# Altium PCB HEXIWEAR_MainBoard_v106.PcbDoc (part 1 of 3)
Units mil, origin at the board's own origin, x right, y up, seen from the top; angles counter-clockwise.
Board outline 1731.95 x 1558.06 mil, 6 copper layers (Top Layer, Internal Plane 2, Signal Layer 1, Signal Layer 2, Internal Plane 1, Bottom Layer), stack 48.468 mil thick; 186 components, 162 nets, 776 pads, 480 vias.
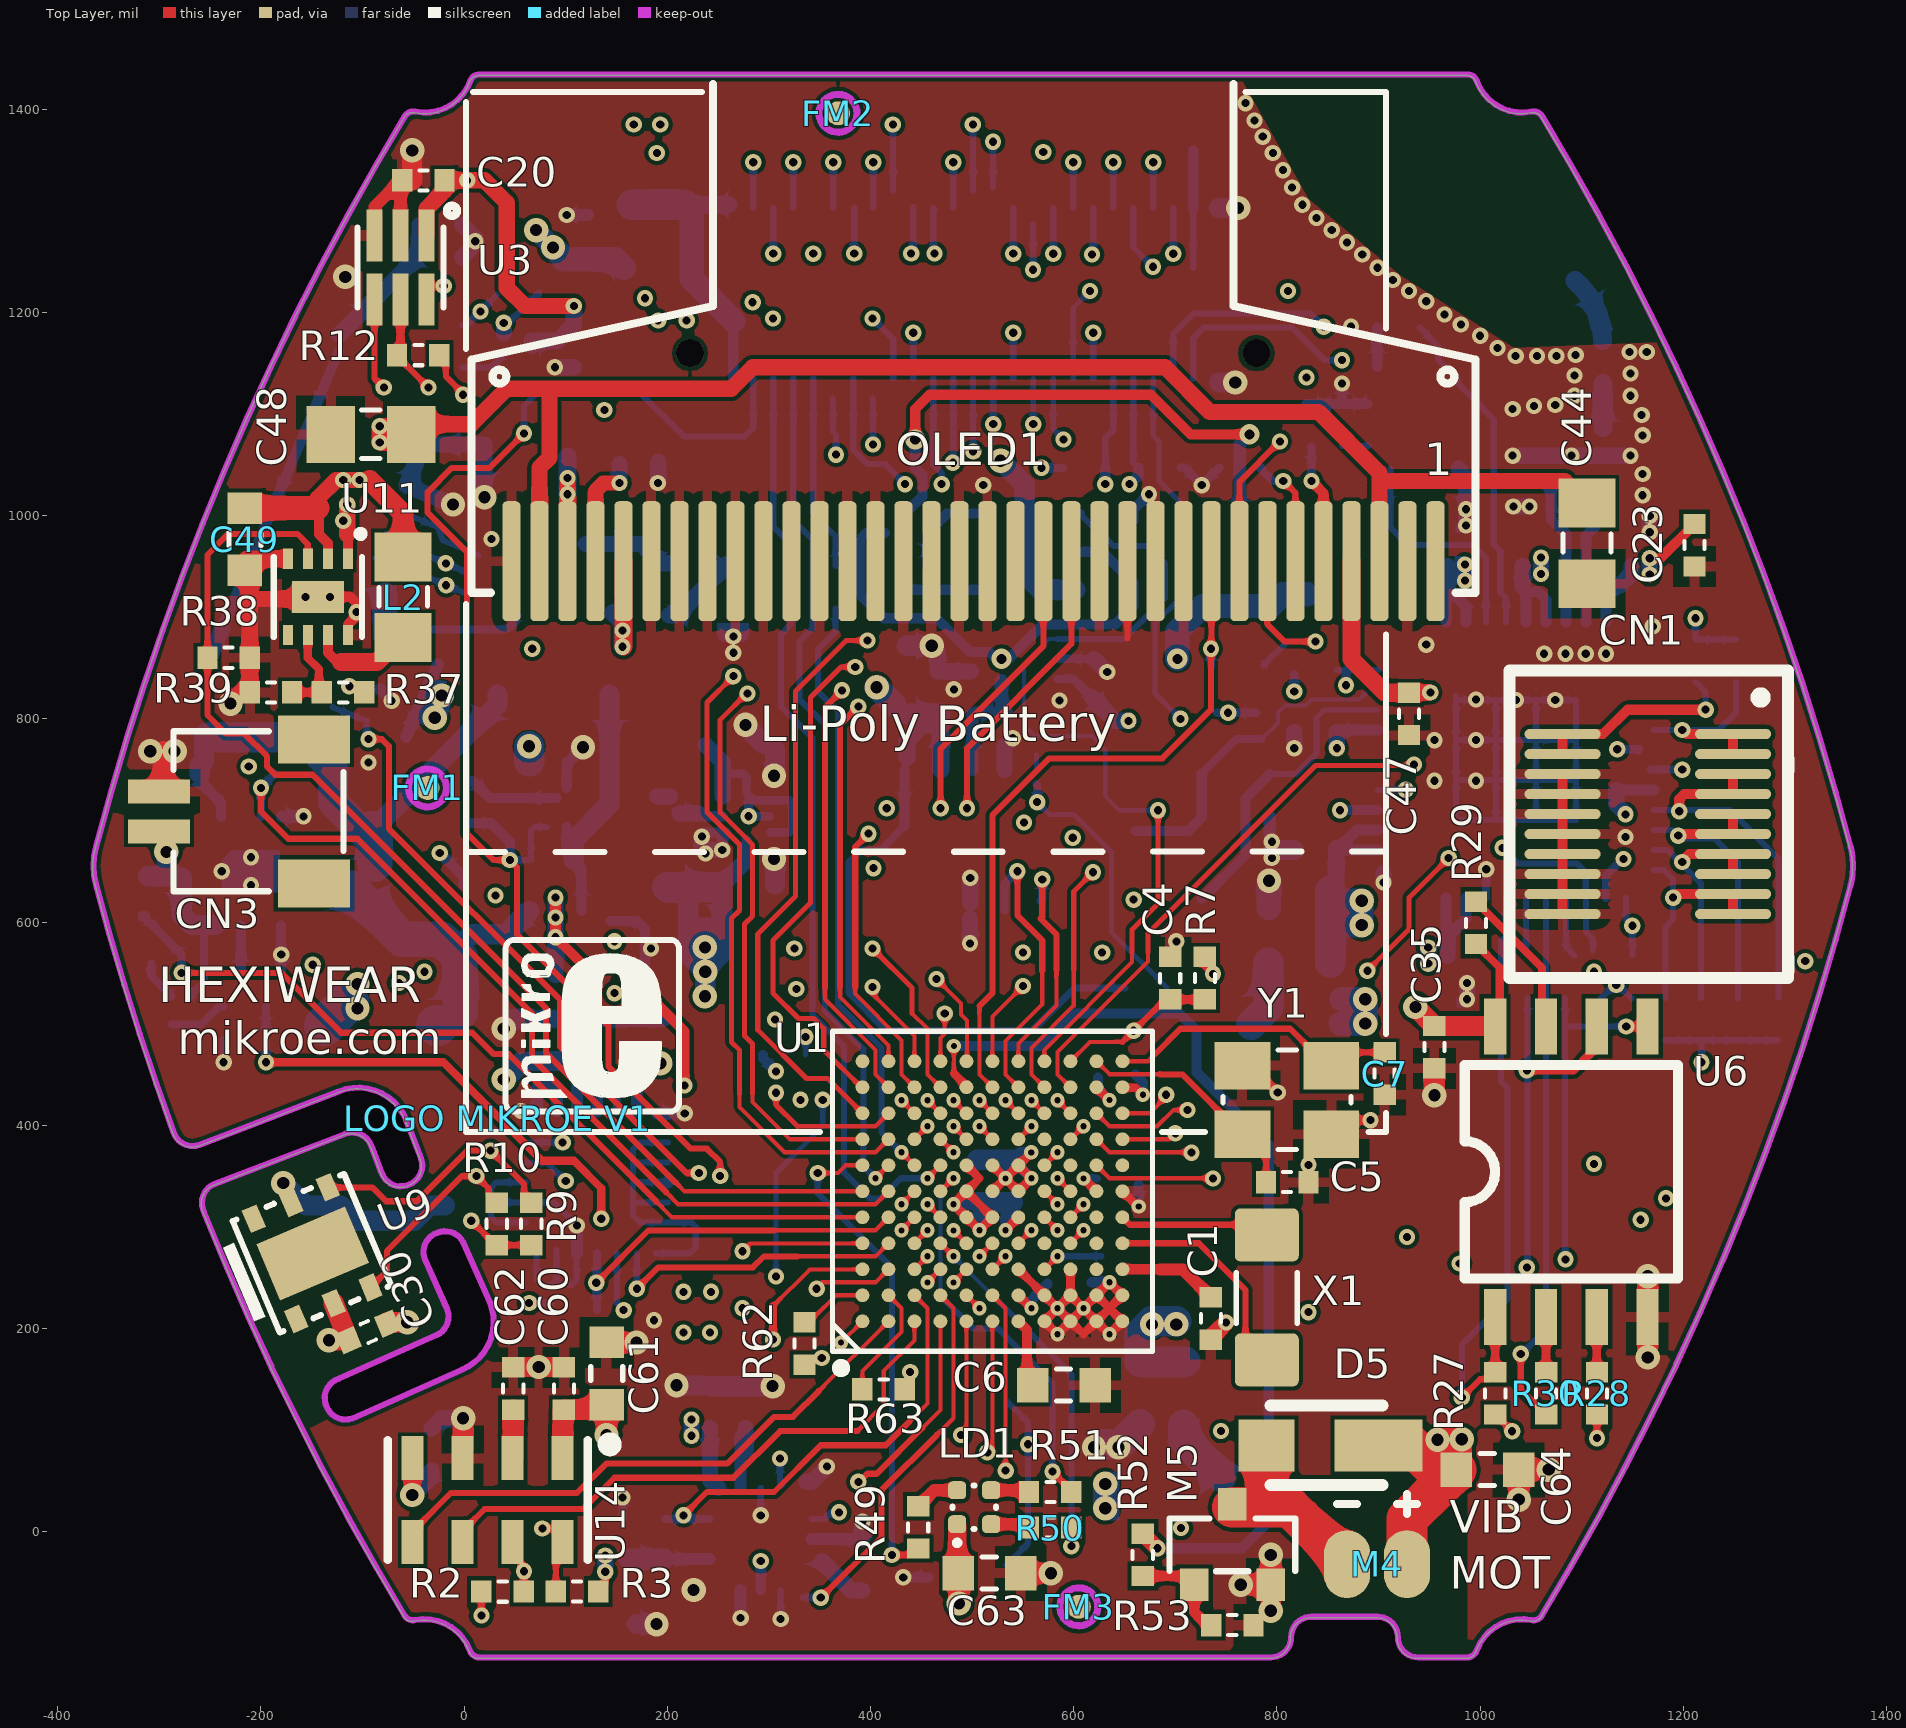
[diagram p0: Top Layer view]
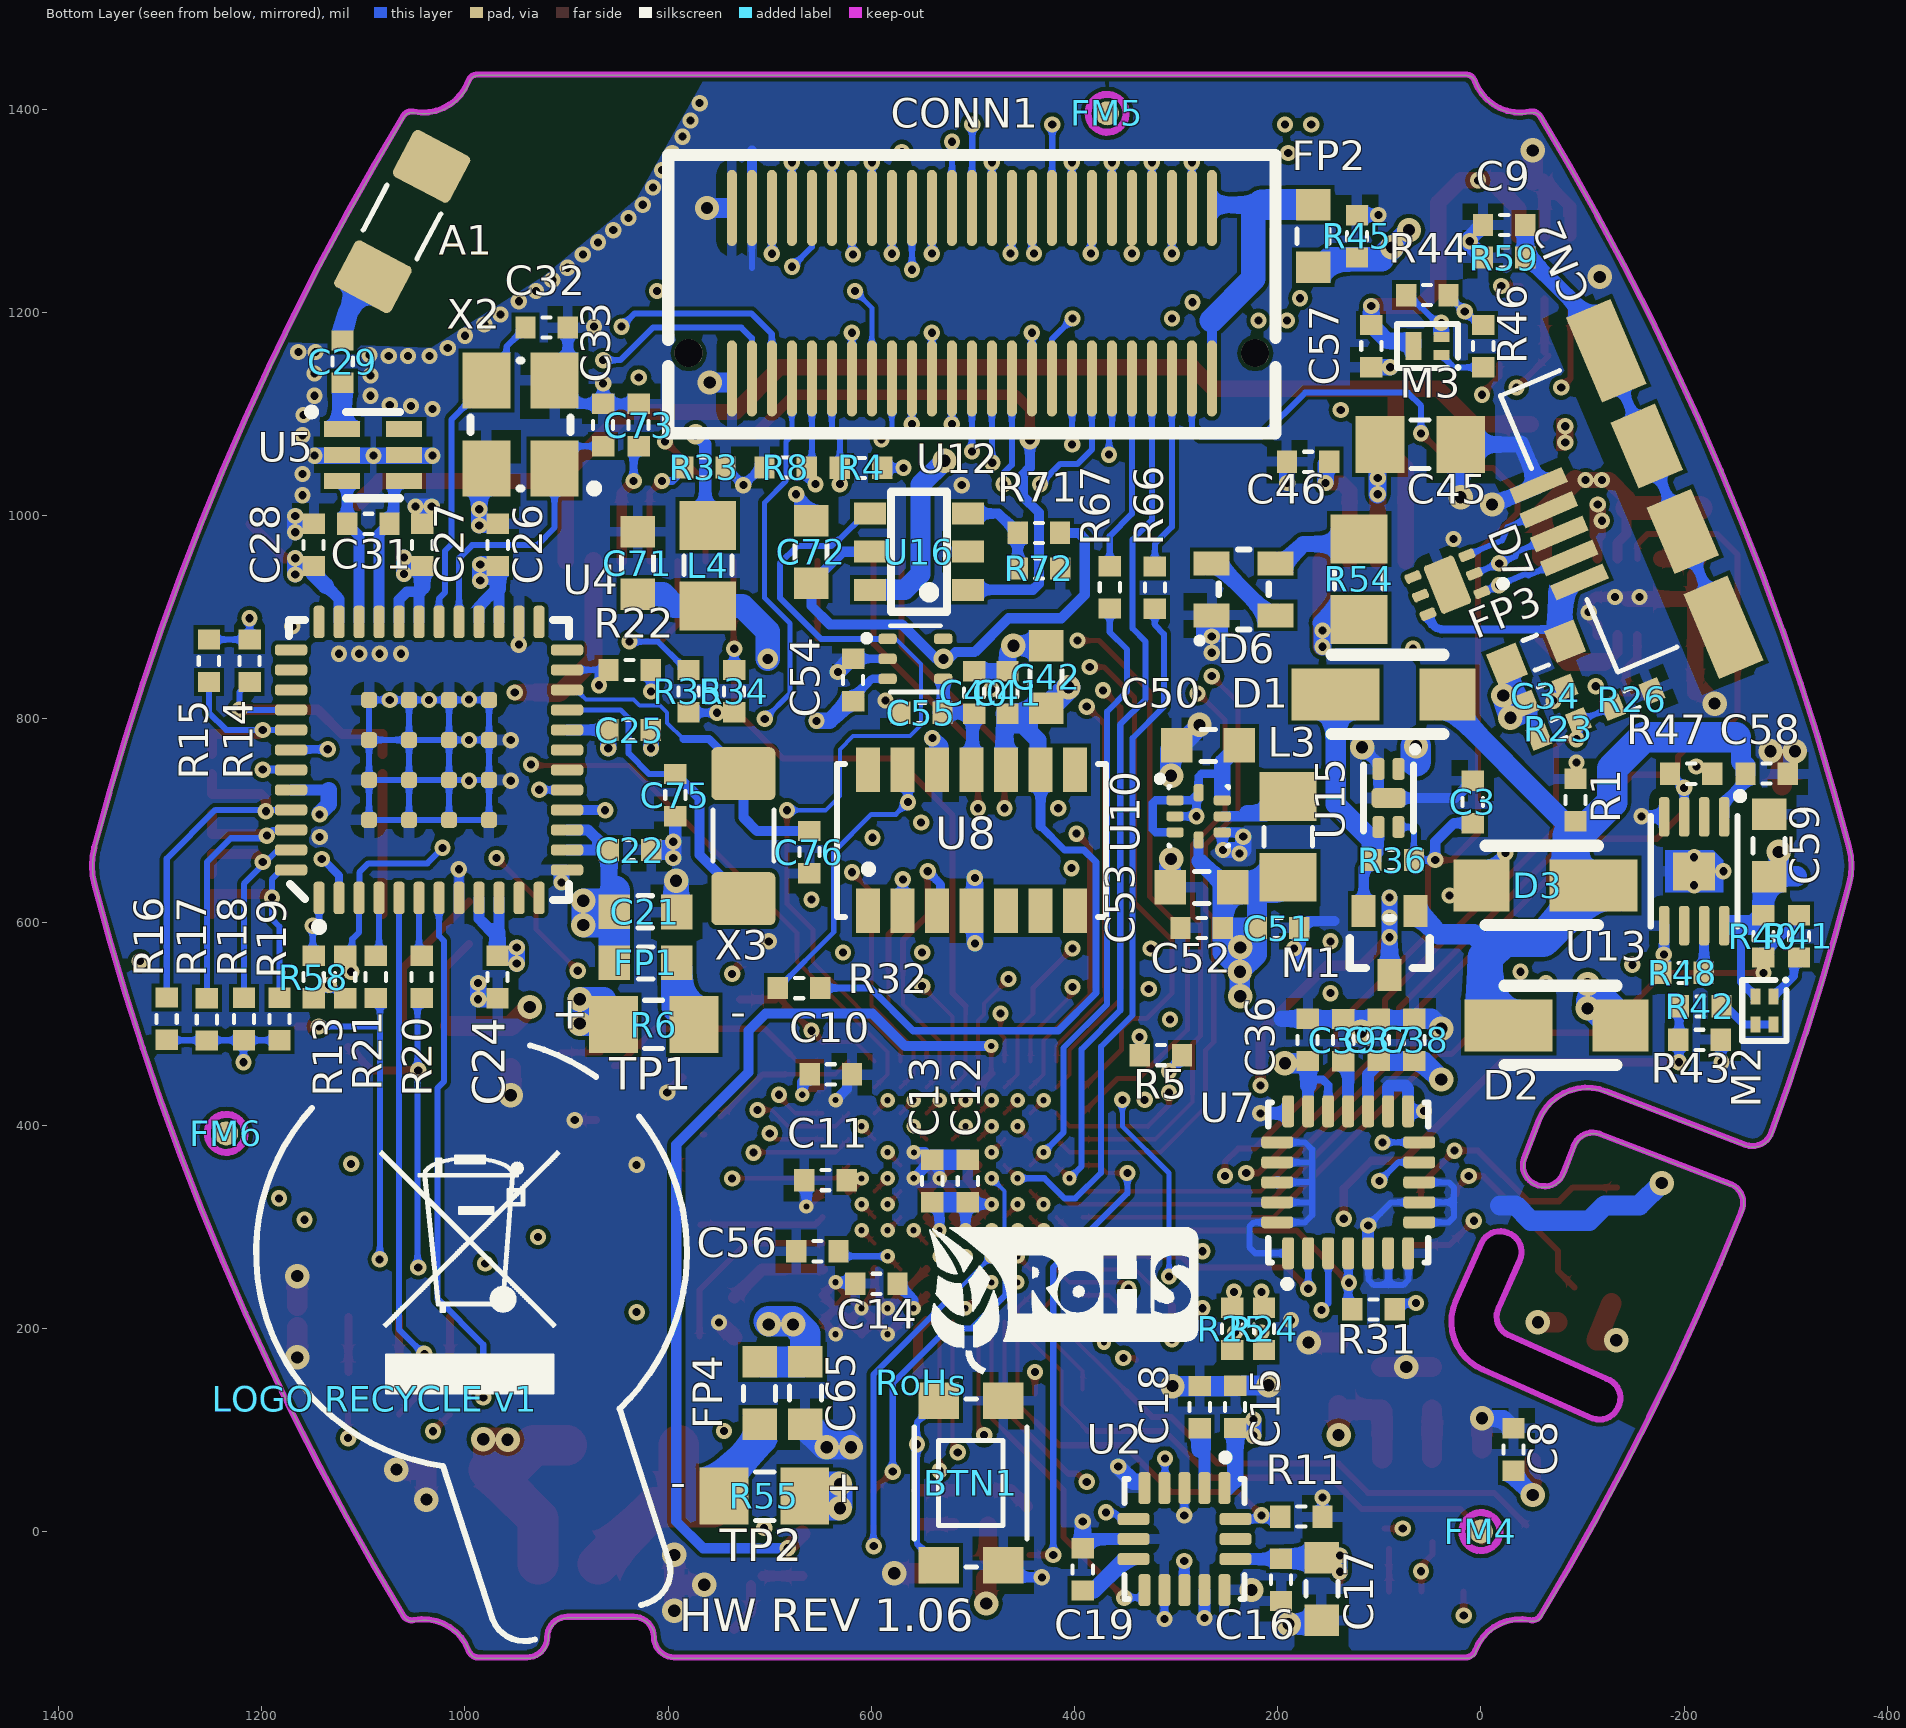
[diagram p1: Bottom Layer view, seen from below]
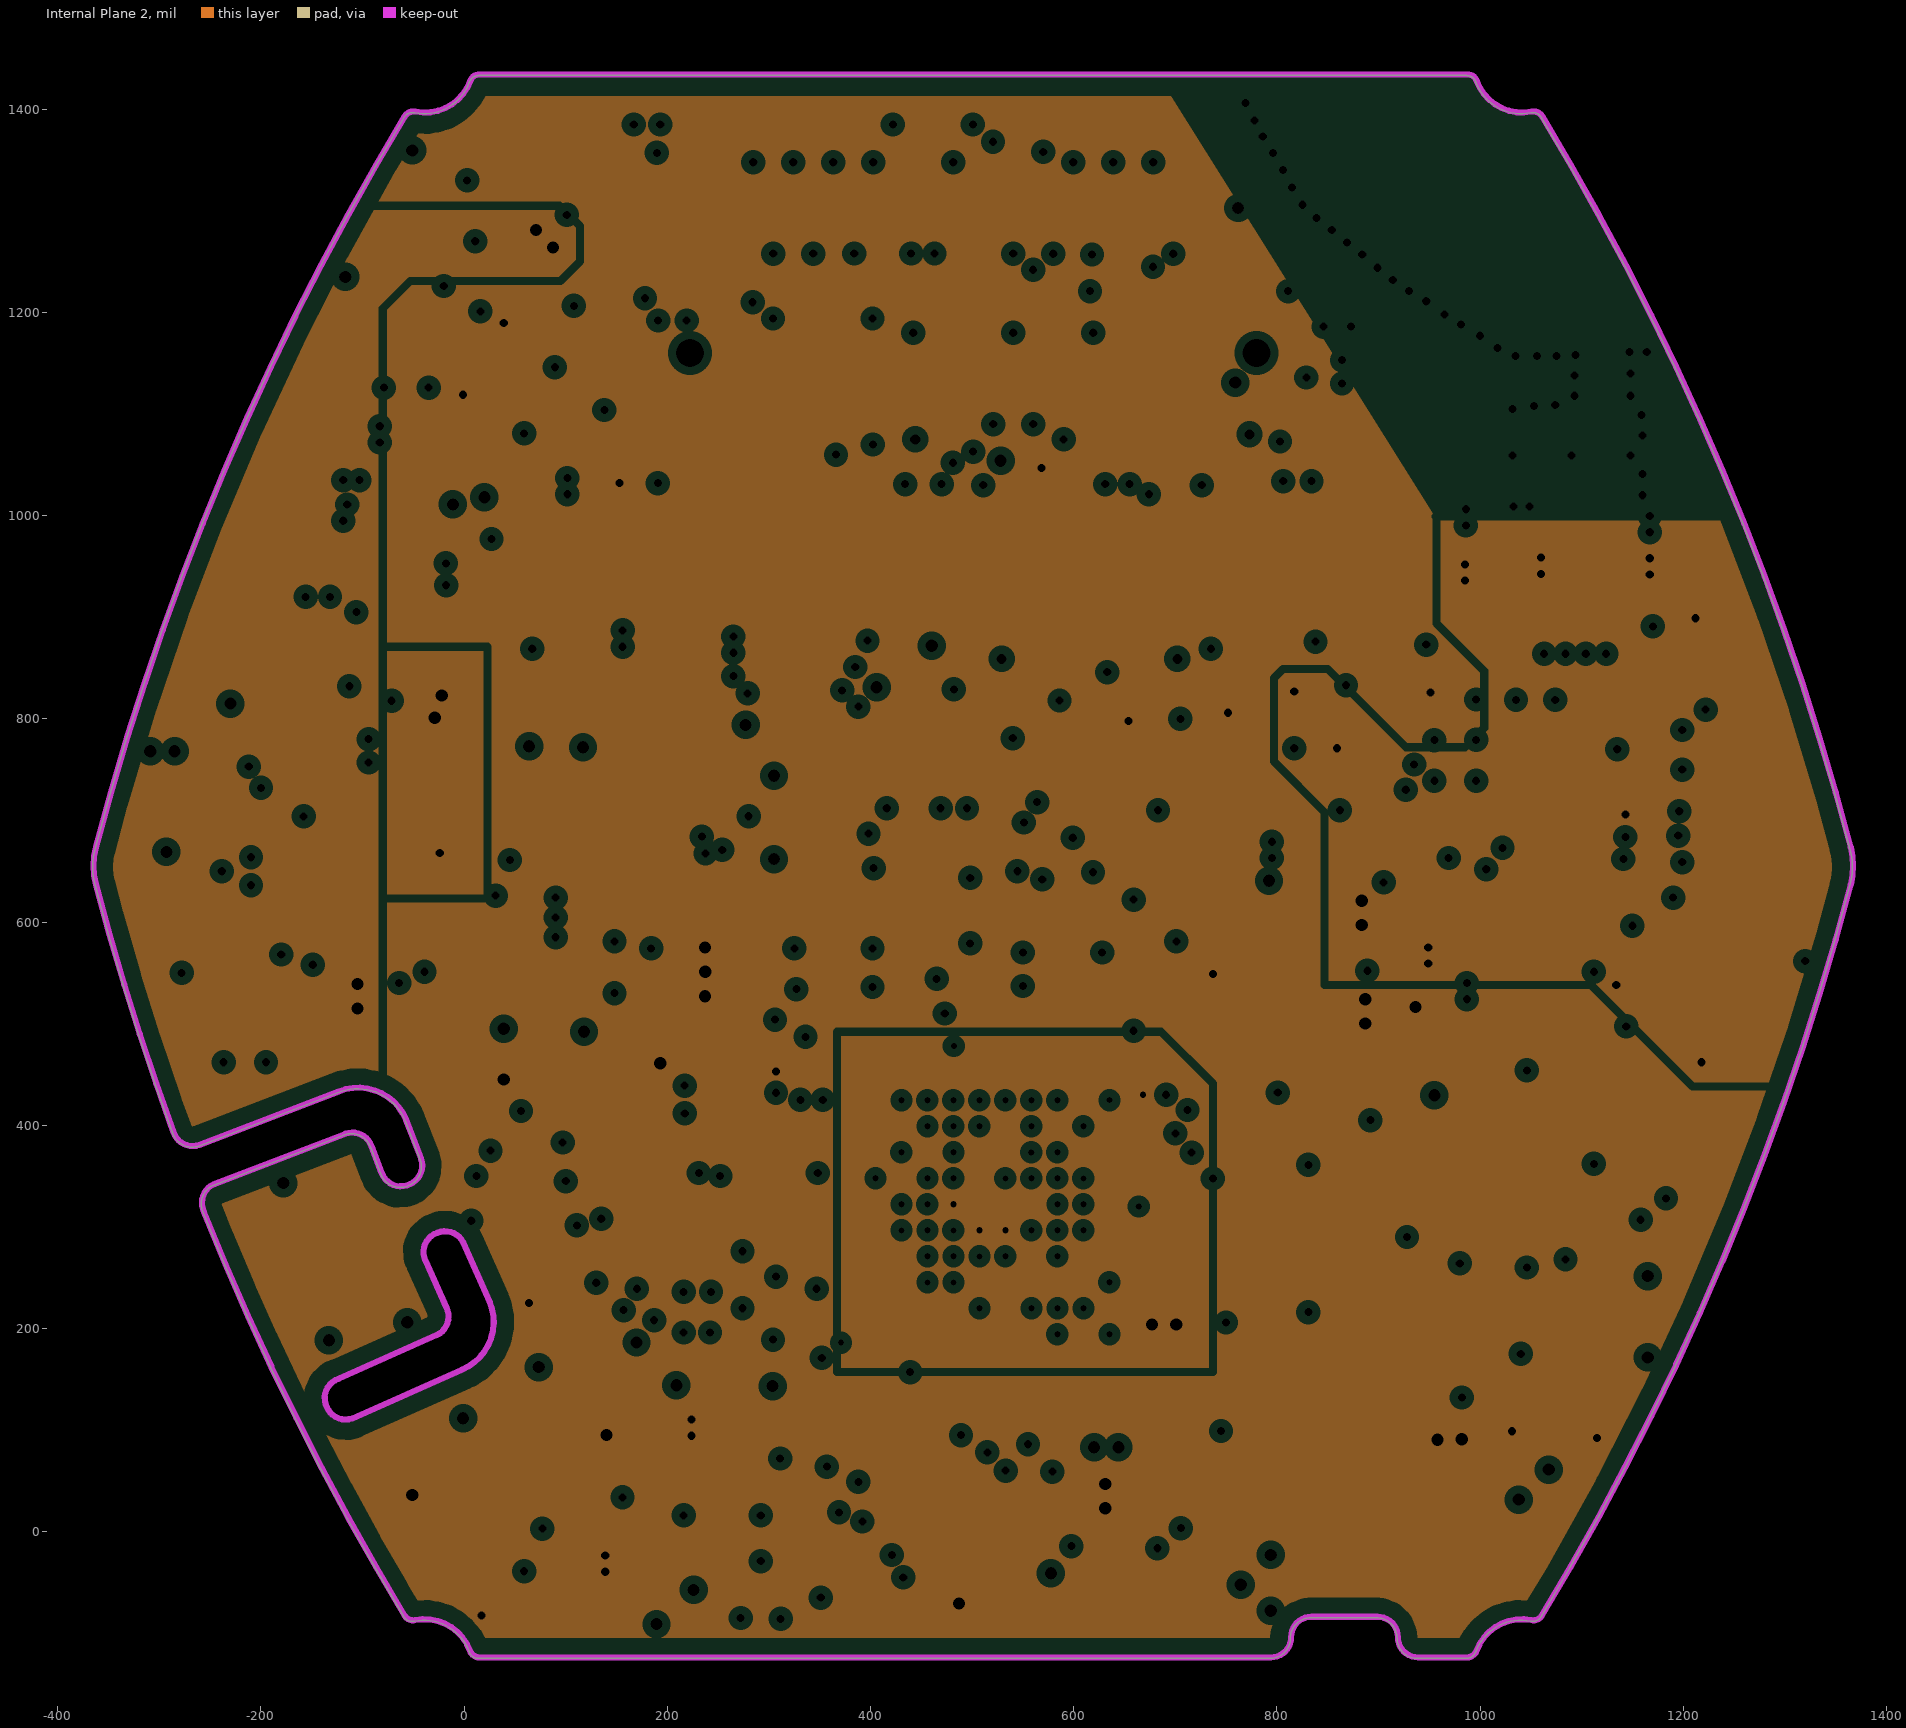
[diagram p2: Internal Plane 2, clearances drawn from the general rule]
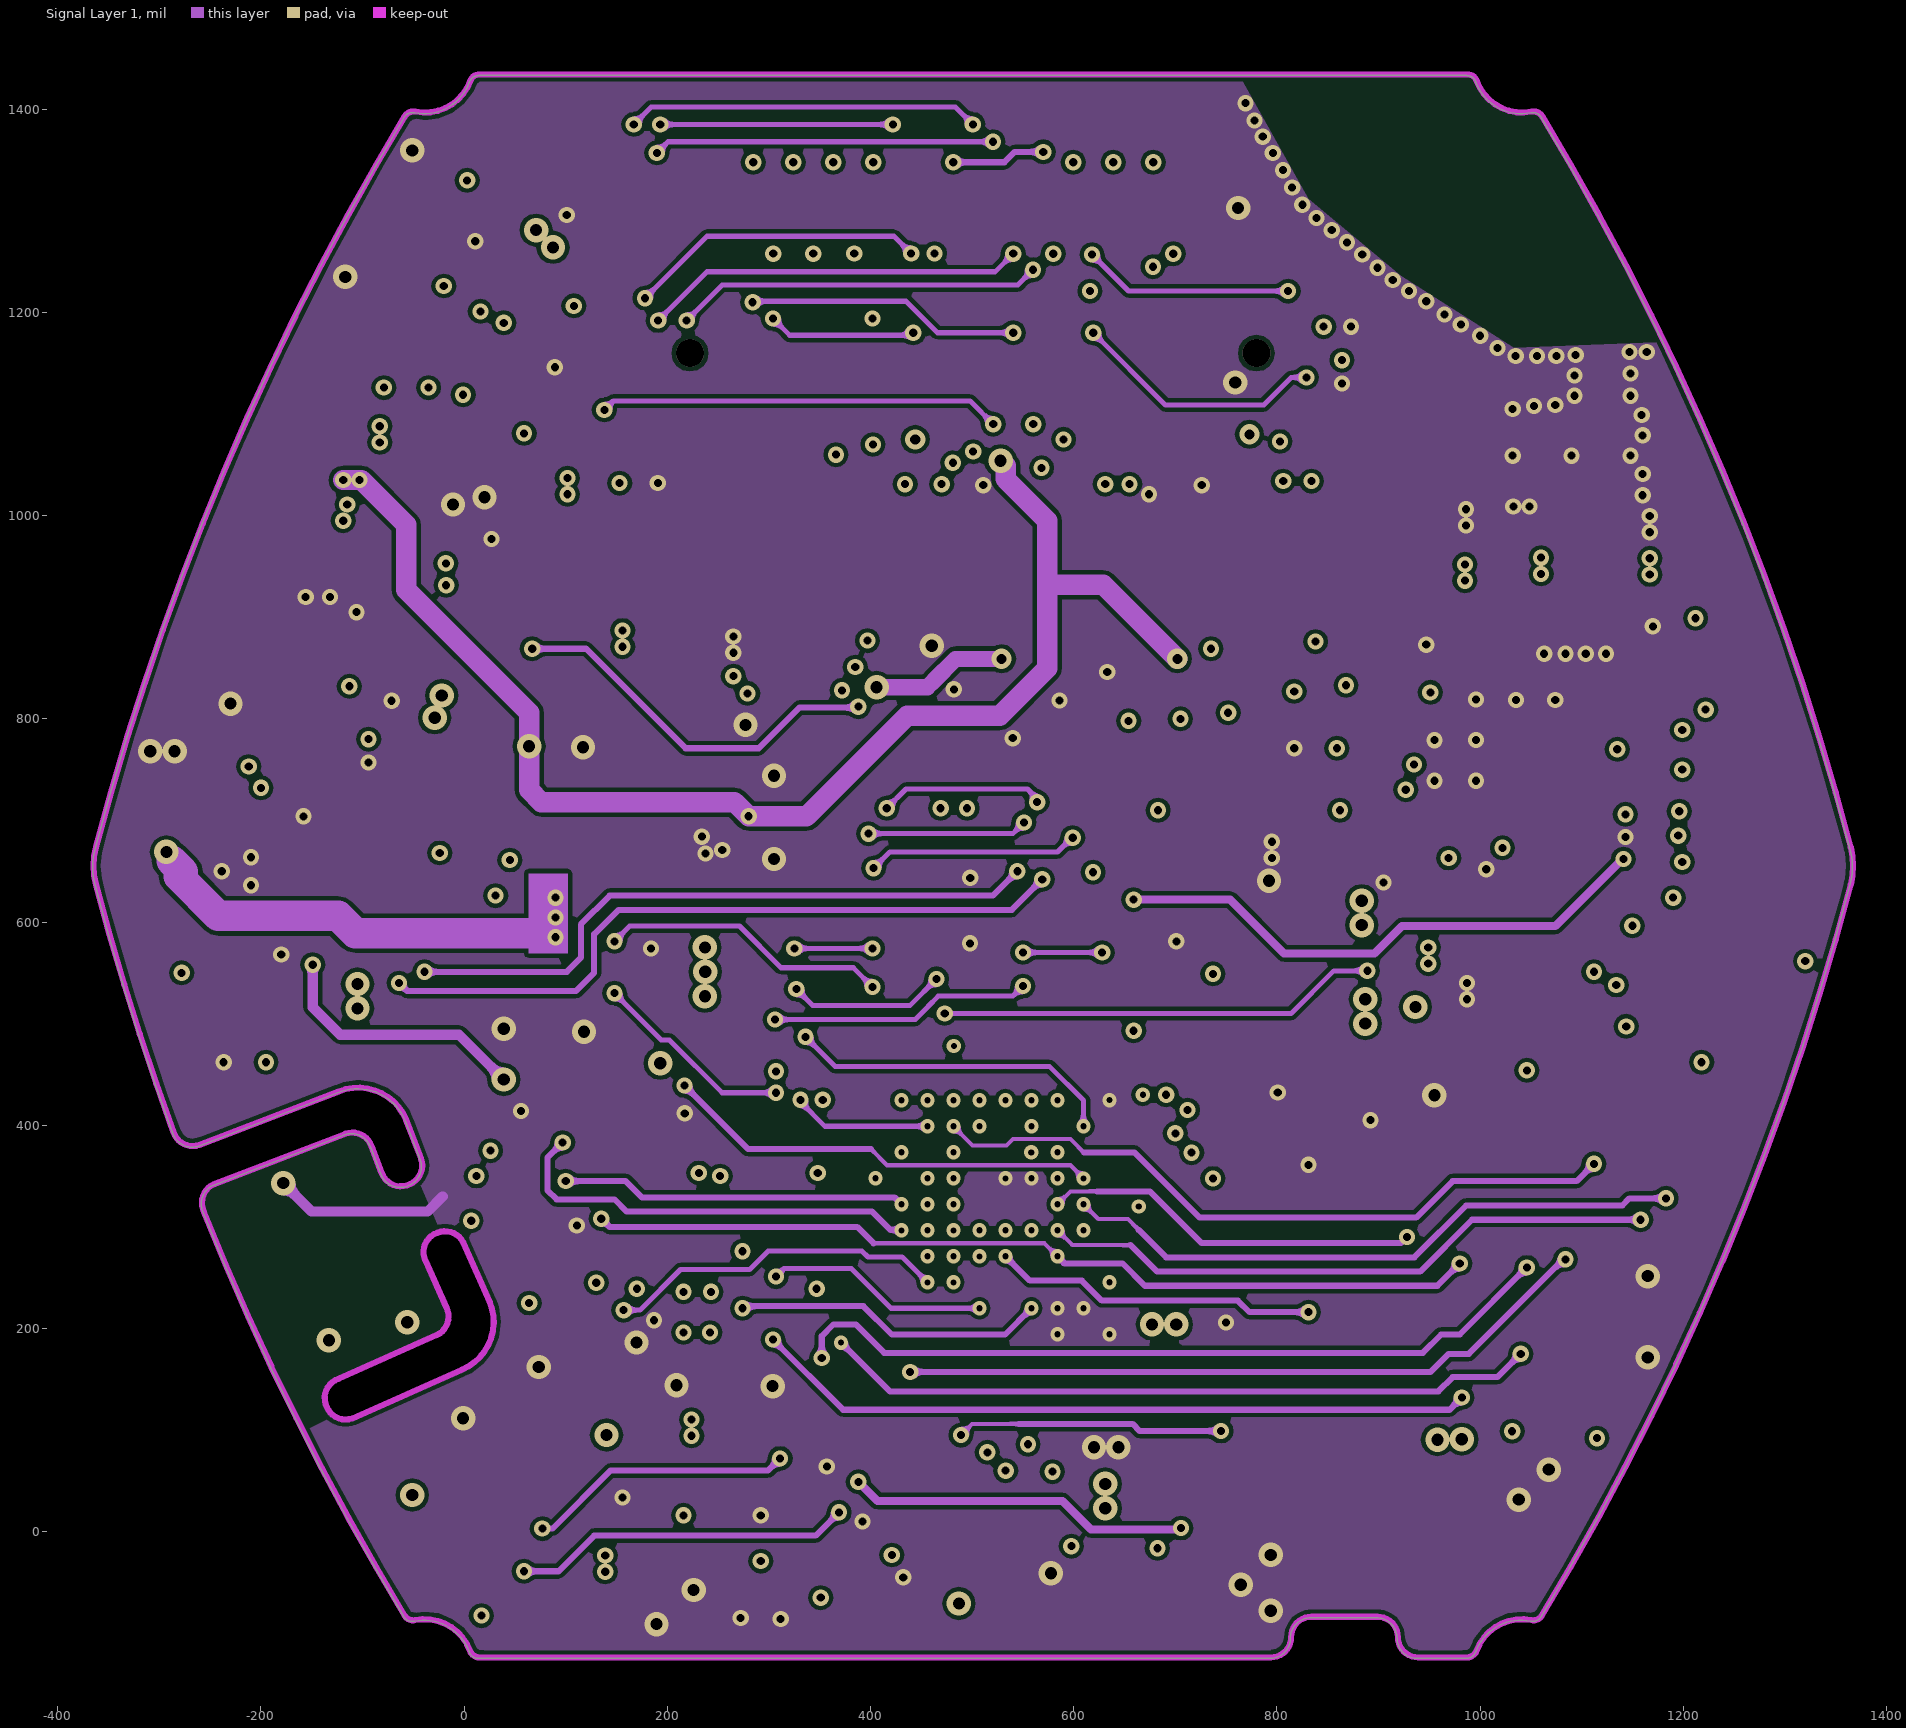
[diagram p3: Signal Layer 1]
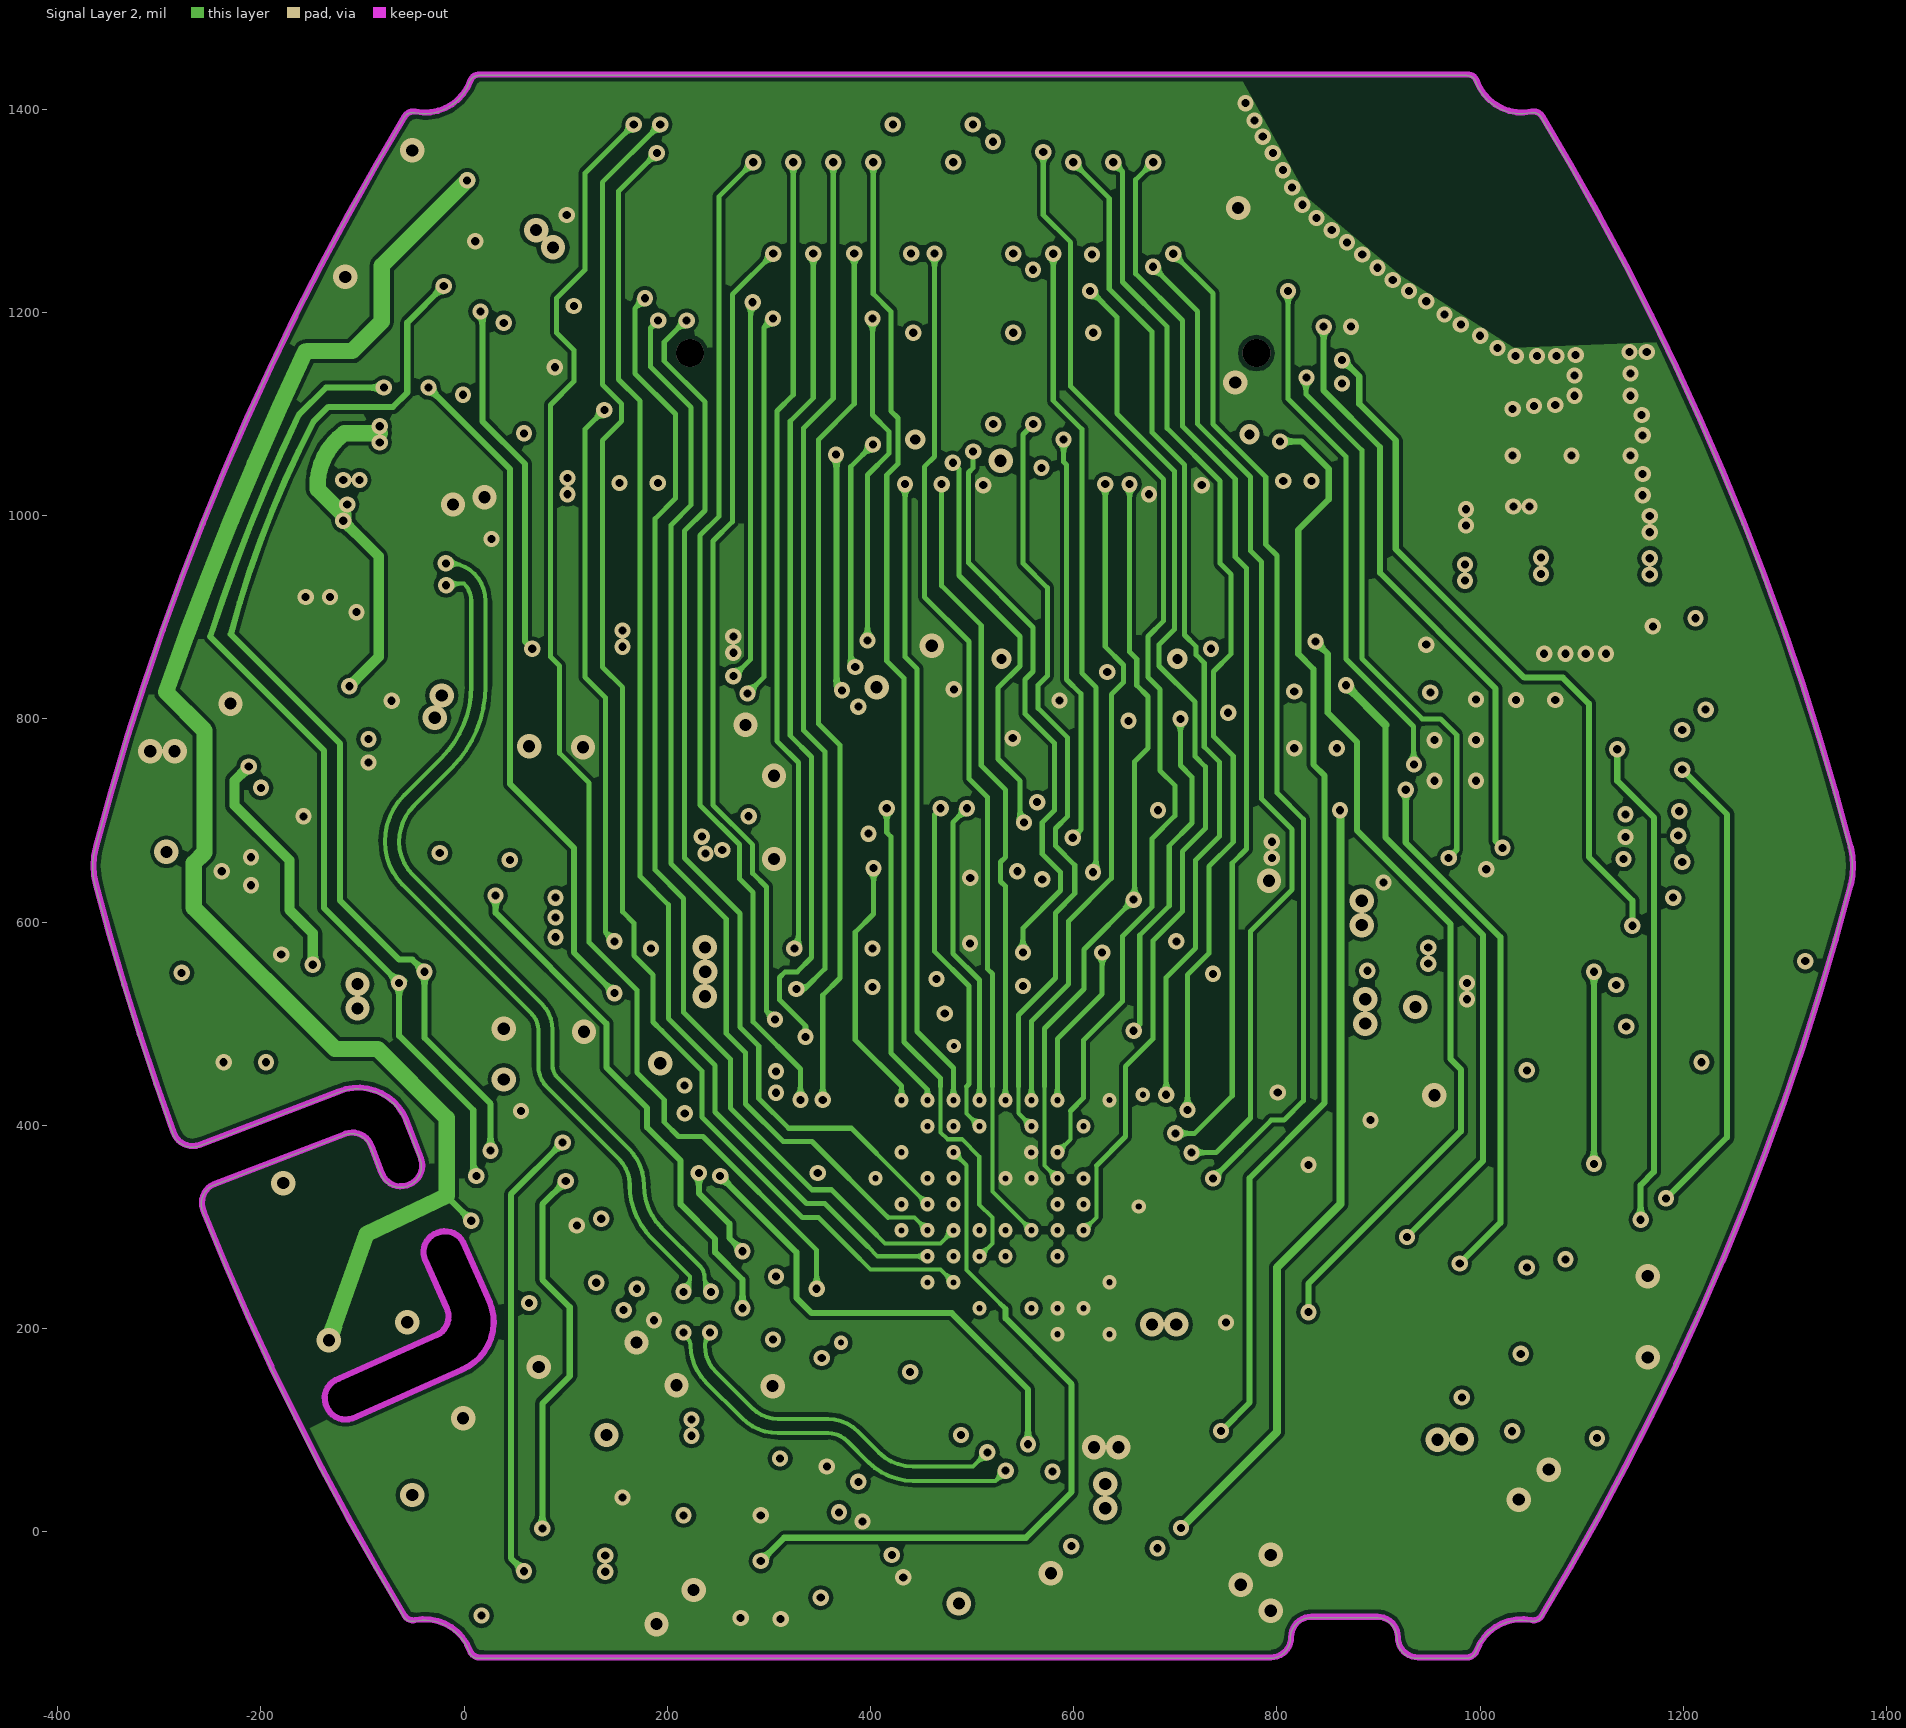
[diagram p4: Signal Layer 2]